# Altium PCB Copy of DIOT_SMA16_.PcbDoc (part 1 of 6) (continued)
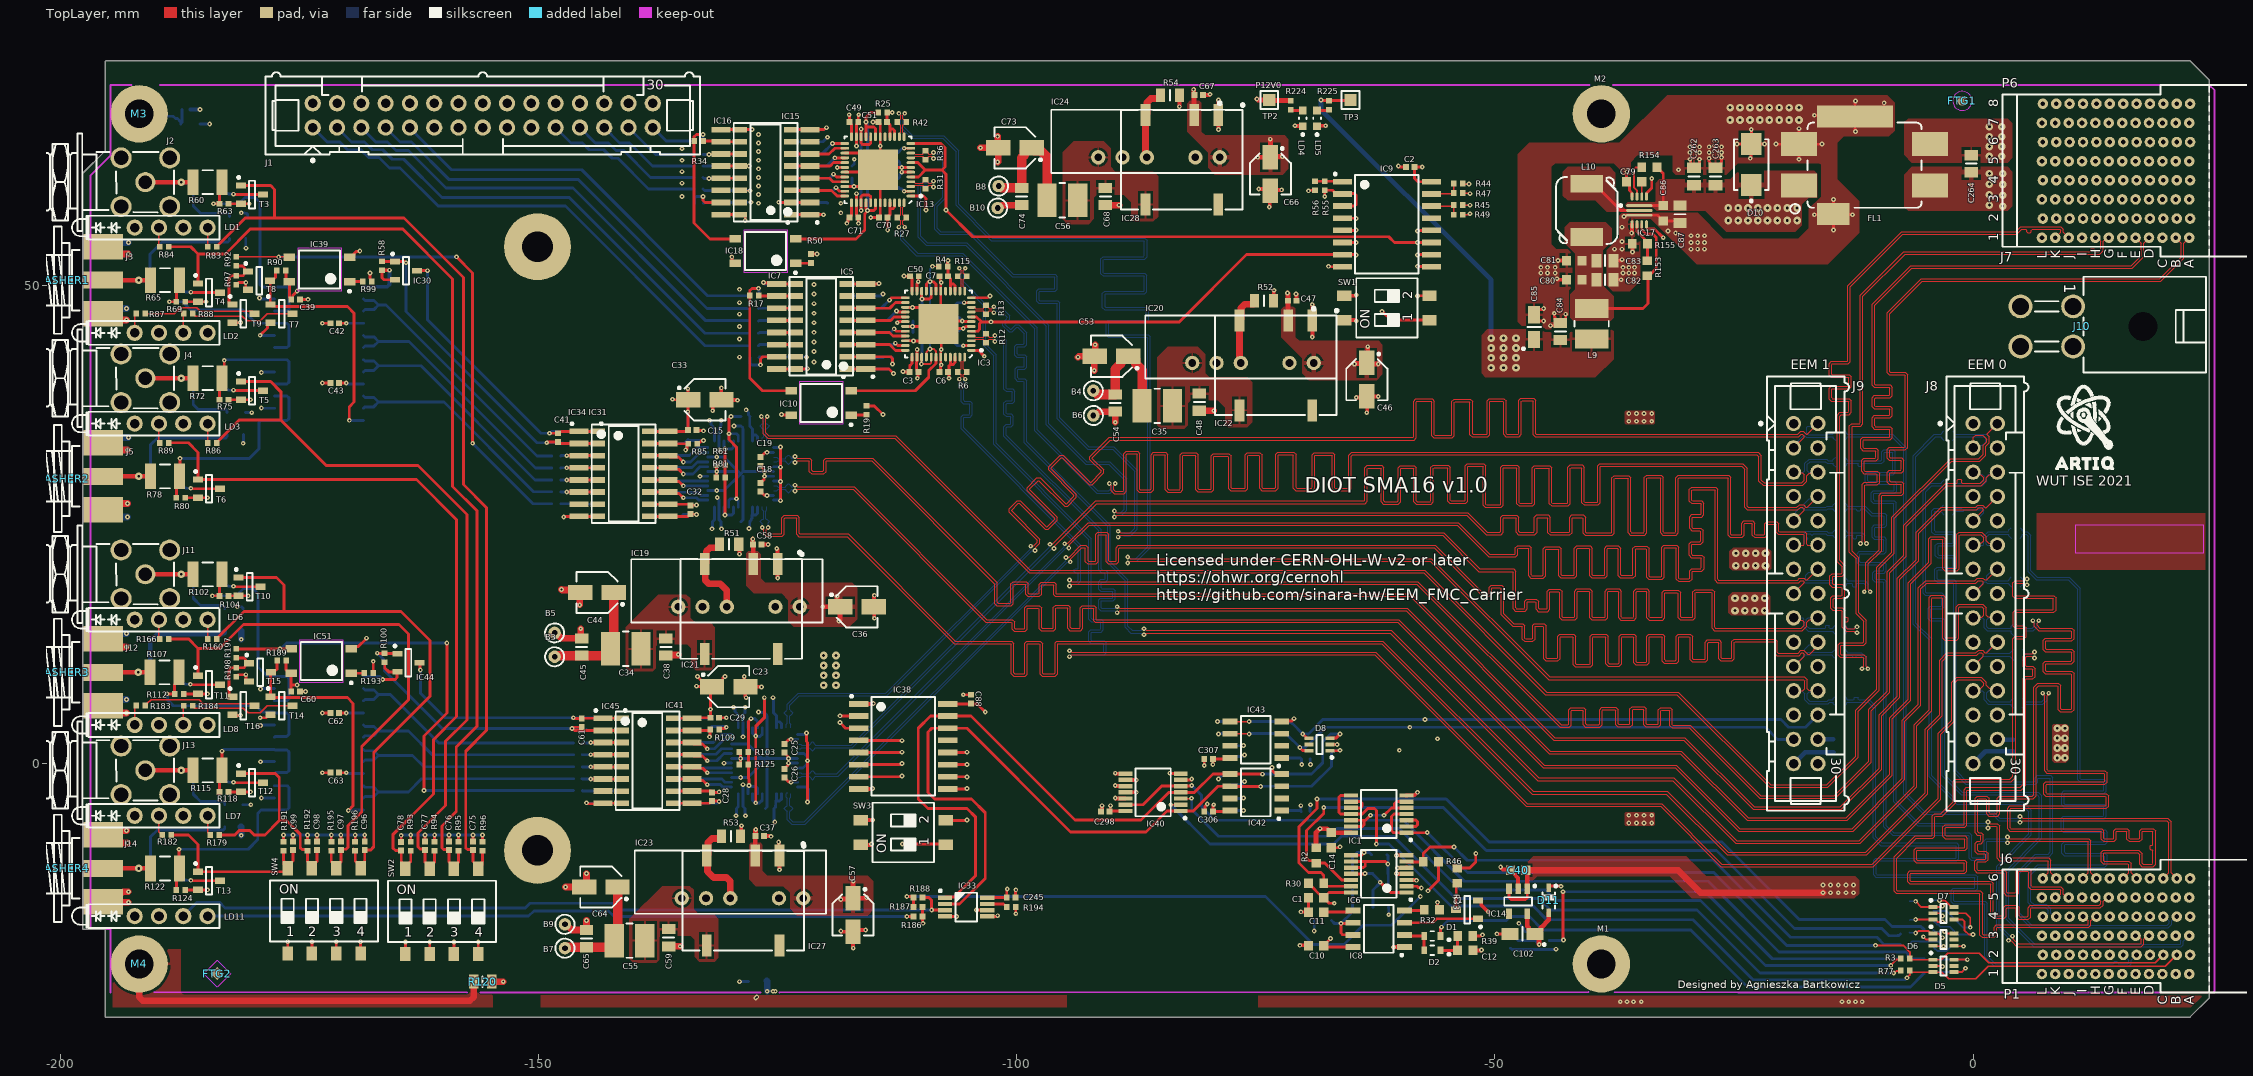
[diagram p0: TopLayer view]
## Components (designator, comment, footprint, x,y, rotation, side; value= is the part's Value field where it differs from the comment)
B3 "Plated Hole" c130h60 -148.328,11.175 r0 top
B4 "Plated Hole" c130h60 -92,39 r0 top
B5 "Plated Hole" c130h60 -148.328,13.675 r0 top
B6 "Plated Hole" c130h60 -92,36.4 r0 top
B7 "Plated Hole" c130h60 -147.25,-19.3 r0 top
B8 "Plated Hole" c130h60 -101.9,60.4 r0 top
B9 "Plated Hole" c130h60 -147.25,-16.8 r0 top
B10 "Plated Hole" c130h60 -102,58.1 r0 top
C1 "100nF" CAPC1608X87N -68.7,-14.025 r0 top
C2 "100nF" CAPC1005X55N -58.85,62.4 r0 top
C3 "100nF" CAPC1005X55N -110.749,40.967 r180 top
C4 "100nF" CAPC1005X55N -106.449,47.517 r90 bottom
C5 "100nF" CAPC1005X55N -106.449,44.417 r270 bottom
C6 "100nF" CAPC1005X55N -107.649,40.967 r0 top
C7 "100nF" CAPC1005X55N -107.649,50.967 r0 top
C8 "22uF" CAPC2012X135N -68,-16.4 r0 bottom
C10 "100nF" CAPC1608X87N -68.7,-19.025 r0 top
C11 "100nF" CAPC1608X87N -68.7,-15.525 r0 top
C12 "1uF" CAPC1608X87N -53.1,-19.525 r180 top
C14 "100nF" CAPC1608X87N -67.1,-8 r90 top
C15 "100nF" CAPC1005X55N -133.923,34.875 r180 top
C16 "100nF" CAPC1005X55N -131.373,25.3 r180 bottom
C17 "100nF" CAPC1005X55N -128.373,25.3 r0 bottom
C18 "100nF" CAPC1005X55N -126.8,28.9 r270 top
C19 "100nF" CAPC1005X55N -126.8,31.6 r90 top
C20 "100nF" CAPC1005X55N -128.373,35.3 r0 bottom
C21 "100nF" CAPC1005X55N -131.373,35.3 r180 bottom
C22 "100nF" CAPC1005X55N -134.373,34.35 r90 bottom
C23 "10uF" CAPAE430X540N -130.123,8.05 r0 top
C24 "100nF" CAPC1005X55N -128.873,-4.7 r180 bottom
C25 "100nF" CAPC1005X55N -124.3,1.6 r90 top
C26 "100nF" CAPC1005X55N -124.3,-1 r270 top
C27 "100nF" CAPC1005X55N -125.873,5.3 r0 bottom
C28 "100nF" CAPC1005X55N -131.873,-3.45 r90 top
C29 "100nF" CAPC1005X55N -131.573,4.8 r180 top
C30 "100nF" CAPC1005X55N -131.873,4.35 r90 bottom
C31 "100nF" CAPC1005X55N -128.873,5.3 r180 bottom
C32 "100nF" CAPC1005X55N -134.123,26.55 r90 top
C33 "10uF" CAPAE430X540N -132.623,38.05 r0 top
C34 "10uH" IND_MURATA-PS_8400 -140.9,12 r0 top
C35 "10uH" IND_MURATA-PS_8400 -85.3,37.4 r0 top
C36 "10uF" CAPAE430X540N -116.7,16.4 r0 top
C37 "100nF" CAPC1005X55N -126.873,-7.575 r180 top
C38 "22uF" CAPC2012X135N -136.7,12.2 r90 top
C39 "100nF" CAPC1005X55N -175.423,48.55 r180 top
C40 "1uF" CAPC1608X87N -47.575,-11.152 r0 top
C41 "100nF" CAPC1005X55N -147.993,34.1 r90 top
C42 "100nF" CAPC1005X55N -171.323,46.05 r0 top
C43 "100nF" CAPC1005X55N -171.323,39.8 r0 top
C44 "10uF" CAPAE430X540N -143.9,17.9 r180 top
C45 "22uF" CAPC2012X135N -145.5,12.2 r270 top
C46 "10uF" CAPAE430X540N -63.4,40.15 r270 top
C47 "100nF" CAPC1005X55N -71.2,48.4 r180 top
C48 "22uF" CAPC2012X135N -80.9,37.8 r90 top
C49 "100nF" CAPC1005X55N -117.026,67.1 r180 top
C50 "100nF" CAPC1005X55N -110.699,50.967 r180 top
C51 "100nF" CAPC1005X55N -114.026,67.1 r0 top
C52 "100nF" CAPC1005X55N -112.401,63.475 r90 bottom
C53 "10uF" CAPAE430X540N -90.1,42.6 r180 top
C54 "22uF" CAPC2012X135N -89.7,37.7 r90 top
C55 "10uH" IND_MURATA-PS_8400 -140.5,-18.5 r0 top
C56 "10uH" IND_MURATA-PS_8400 -95.23,58.9 r0 top
C57 "10uF" CAPAE430X540N -117.123,-15.825 r270 top
C58 "100nF" CAPC1005X55N -127.128,22.925 r180 top
C59 "22uF" CAPC2012X135N -136.4,-18.2 r90 top
C60 "100nF" CAPC1005X55N -175.423,7.55 r180 top
C61 "100nF" CAPC1005X55N -145.493,4.258 r90 top
C62 "100nF" CAPC1005X55N -171.323,5.3 r0 top
C63 "100nF" CAPC1005X55N -171.323,-0.95 r0 top
C64 "10uF" CAPAE430X540N -143.5,-12.9 r180 top
C65 "22uF" CAPC2012X135N -145,-18.3 r270 top
C66 "10uF" CAPAE430X540N -73.48,61.65 r270 top
C67 "100nF" CAPC1005X55N -80.98,69.9 r180 top
C68 "22uF" CAPC2012X135N -90.73,59.3 r90 top
C69 "100nF" CAPC1005X55N -125.823,-4.7 r0 bottom
C70 "100nF" CAPC1005X55N -113.976,57.1 r0 top
C71 "100nF" CAPC1005X55N -117.026,57.1 r180 top
C72 "100nF" CAPC1005X55N -112.401,60.725 r270 bottom
C73 "10uF" CAPAE430X540N -100.2,64.4 r180 top
C74 "22uF" CAPC2012X135N -99.5,59.3 r90 top
C75 "100nF" CAPC1005X55N -156.873,-8.6 r270 top
C76 "100nF" CAPC1005X55N -159.373,-8.6 r270 top
C77 "100nF" CAPC1005X55N -161.873,-8.6 r270 top
C78 "100nF" CAPC1005X55N -164.373,-8.65 r270 top
C79 "100nF" CAPC1608X87N -35.45,60.85 r0 top
C80 "100nF" CAPC1608X87N -41.7,50.6 r0 top
C81 "100nF" CAPC1608X87N -41.7,52.6 r0 top
C82 "22uF" CAPC2012X135N -38.5,50.6 r180 top
C83 "22uF" CAPC2012X135N -38.5,52.6 r180 top
C84 "22uF" CAPC2012X135N -43.15,45.2 r270 top
C85 "10uF" CAPMP3216X180N -45.9,45.65 r90 top
C86 "100nF" CAPC1608X87N -32.4,57.55 r90 top
C87 "22uF" CAPC2012X135N -30.65,57.45 r90 top
C88 "100nF" CAPC1005X55N -104.8,6.75 r270 top
C96 "100nF" CAPC1005X55N -168.183,-8.6 r270 top
C97 "100nF" CAPC1005X55N -170.683,-8.6 r270 top
C98 "100nF" CAPC1005X55N -173.183,-8.6 r270 top
C99 "100nF" CAPC1005X55N -175.683,-8.6 r270 top
C102 "4.7uF" CAPMP3216X180N -47.125,-17.8 r180 top
C212 "22pF" CAPC1005X55N -186.85,68.4 r0 bottom
C219 "100nF" CAPC1005X55N -69.8,-5 r180 bottom
C220 "100nF" CAPC1005X55N -69.8,0.5 r180 bottom
C245 "100nF" CAPC1005X55N -100.6,-14 r180 top
C262 "10uF" CAPC2012X95N -29.188,61.392 r270 top
C263 "10uF" CAPC2012X95N -26.938,61.392 r270 top
C264 "10uF" CAPC2012X95N -0.188,62.742 r270 top
C298 "100nF" CAPC1005X55N -90.75,-5 r0 top
C306 "100nF" CAPC1005X55N -79.95,-5 r0 top
C307 "100nF" CAPC1005X55N -79.95,0.5 r0 top
D1 "CDBU0520-HF" SOD-523F -56.55,-18.025 r180 top
D2 "CDBU0520-HF" SOD-523F -56.55,-19.525 r180 top
D4 "PRTR5V0U2X" SOT190P230X110-4N -181.373,56.05 r90 bottom
D5 "PESD3V3L5UY" SOT65P210X110-6N -3.1,-21.15 r0 top
D6 "PESD3V3L5UY" SOT65P210X110-6N -3.1,-18.4 r0 top
D7 "PESD3V3L5UY" SOT65P210X110-6N -3.1,-15.65 r0 top
D8 "PESD3V3L5UY" SOT65P210X110-6N -68.35,2 r180 top
D9 "PRTR5V0U2X" SOT190P230X110-4N -181.623,35.55 r90 bottom
D10 "SMBJ12A" DIOM5336X265N -23.188,62.642 r90 top
D11 "BAT165" SOD2512X110N -44.375,-14.3 r270 top
D13 "PRTR5V0U2X" SOT190P230X110-4N -181.873,15.05 r90 bottom
D14 "PRTR5V0U2X" SOT190P230X110-4N -181.873,-5.45 r90 bottom
FL1 "10A/50VDC" FIL_MURATA_BNX02 -11.35,62.575 r180 top
FTG1 "Use only in PCB" FIDUCIAL_TOP_C100-200 -1.123,69.3 r90 top
FTG2 "Use only in PCB" FIDUCIAL_TOP_S100-200 -183.623,-21.95 r90 top
FTG3 "Use only in PCB" FIDUCIAL_TOP_S100-200 -1.123,69.3 r90 bottom
FTG4 "Use only in PCB" FIDUCIAL_TOP_S100-200 -183.623,-21.95 r90 bottom
IC1 "74HC4066PW" SOP65P640X110-14N -62.15,-5.275 r180 top
IC2 "SI8650BB-B-IS1" SOIC127P600X175-16N -120.449,45.717 r0 bottom
IC3 "SN65MLVD040RGZT" QFN50P700X700X100-49N-S420 -108.199,45.967 r180 top
IC4 "MAX14434FAWE+" SOIC127P1030X265-16N -120.449,45.717 r0 bottom
IC5 "SI8650BB-B-IS1" SOIC127P600X175-16N -120.449,45.717 r180 top
IC6 "74HC4066PW" SOP65P640X110-14N -62.15,-11.525 r180 top
IC7 "MAX14434FAWE+" SOIC127P1030X265-16N -120.449,45.717 r180 top
IC8 "TLC555ID" SOIC127P600X175-8N -62.15,-17.275 r180 top
IC9 "PCF8574ADW" SOIC127P1030X265-16N -61.3,56.4 r0 top
IC10 "TLP183" TOSHIBA_11-4M1S -120.449,37.717 r180 top
IC11 "SI8650BB-B-IS1" SOIC127P600X175-16N -126.276,61.85 r0 bottom
IC12 "MAX14434FAWE+" SOIC127P1030X265-16N -126.276,61.85 r0 bottom
IC13 "SN65MLVD040RGZT" QFN50P700X700X100-49N-S420 -114.526,62.1 r180 top
IC14 "MIC5219-3.3YM5" SOT95P280X145-5N -47.575,-14.402 r270 top
IC15 "SI8650BB-B-IS1" SOIC127P600X175-16N -126.276,61.85 r180 top
IC16 "MAX14434FAWE+" SOIC127P1030X265-16N -126.276,61.85 r180 top
IC17 "TPS62148RGX" TEXAS_RGX0011A -34.9,57.85 r0 top
IC18 "TLP183" TOSHIBA_11-4M1S -126.276,53.6 r180 top
IC19 "TMH1205S" DCDC_TRACO_TMA -130.32,16.4 r180 top
IC20 "TMH1205S" DCDC_TRACO_TMA -76.57,41.9 r180 top
IC21 "NXE2S1205MC" DCDC_MURATA_NXE2 -128.828,16.175 r180 top
IC22 "NXE2S1205MC" DCDC_MURATA_NXE2 -72.9,41.65 r180 top
IC23 "TMH1205S" DCDC_TRACO_TMA -129.953,-14.075 r180 top
IC24 "TMH1205S" DCDC_TRACO_TMA -86.4,63.4 r180 top
IC25 "24AA025E48-I/SN" SOIC127P600X175-8N -75,-3 r0 bottom
IC26 "24AA025E48-I/SN" SOIC127P600X175-8N -75,2.5 r0 bottom
IC27 "NXE2S1205MC" DCDC_MURATA_NXE2 -128.623,-14.325 r180 top
IC28 "NXE2S1205MC" DCDC_MURATA_NXE2 -82.73,63.15 r180 top
IC30 "MCP810T-315I/TT" SOT95P237X112-3N -163.873,51.55 r0 top
IC31 "SI8650BB-B-IS1" SOIC127P600X175-16N -141.123,30.3 r0 top
IC32 "SN65MLVD040RGZT" QFN50P700X700X100-49N-S420 -128.873,30.3 r180 bottom
IC33 "LM75AIMM/NOPB" SOP65P490X109-8N -105.3,-15 r0 top
IC34 "MAX14434FAWE+" SOIC127P1030X265-16N -141.123,30.3 r0 top
IC35 "SN74BCT25245DW" SOIC127P1030X265-24N -172.973,42.875 r0 bottom
IC36 "SI8650BB-B-IS1" SOIC127P600X175-16N -141.123,30.3 r180 bottom
IC37 "MAX14434FAWE+" SOIC127P1030X265-16N -141.123,30.3 r180 bottom
IC38 "PCF8574ADW" SOIC127P1030X265-16N -111.873,1.8 r0 top
IC39 "TLP183" TOSHIBA_11-4M1S -172.911,51.675 r180 top
IC40 "74HC4066PW" SOP65P640X110-14N -85.75,-3 r180 top
IC41 "SI8650BB-B-IS1" SOIC127P600X175-16N -138.623,0.3 r0 top
IC42 "24AA02E48-I/SN" SOIC127P600X175-8N -75,-3 r180 top
IC43 "24AA02E48-I/SN" SOIC127P600X175-8N -75,2.5 r180 top
IC44 "MCP810T-315I/TT" SOT95P237X112-3N -163.623,10.55 r0 top
IC45 "MAX14434FAWE+" SOIC127P1030X265-16N -138.617,0.301 r0 top
IC46 "SN65MLVD040RGZT" QFN50P700X700X100-49N-S420 -126.373,0.3 r180 bottom
IC47 "SI8650BB-B-IS1" SOIC127P600X175-16N -138.623,0.3 r180 bottom
IC48 "SN74BCT25245DW" SOIC127P1030X265-24N -172.973,2.125 r0 bottom
IC49 "MAX14434FAWE+" SOIC127P1030X265-16N -138.623,0.3 r180 bottom
IC51 "TLP183" TOSHIBA_11-4M1S -172.73,10.725 r180 top
J1 "" 3M_N2530-6002RB#1 -155.843,67.78 r0 top
J2 "SMA" DELOCK_65848 -191.123,60.8 r180 top locked
J3 "SMA" MOLEX_73251-2121 -195.573,50.55 r0 top locked
J4 "SMA" DELOCK_65848 -191.123,40.3 r180 top locked
J5 "SMA" MOLEX_73251-2121 -195.573,30.05 r0 top locked
J6 "P1" AMPHENOL_10052825-101LF 14.946,-17 r90 top locked
J7 "P6" AMPHENOL_10052838-101LF 14.946,62 r90 top locked
J8 "" 3M_N2530-6002RB#2 1.27,17.78 r270 top locked
J9 "" 3M_N2530-6002RB#2 -17.5,17.779 r270 top locked
J10 "Mini-Fit Jr.™" MOLEX_39-30-0040 7.712,45.717 r270 top
J11 "SMA" DELOCK_65848 -191.123,19.8 r180 top locked
J12 "SMA" MOLEX_73251-2121 -195.573,9.55 r0 top locked
J13 "SMA" DELOCK_65848 -191.123,-0.7 r180 top locked
J14 "SMA" MOLEX_73251-2121 -195.573,-10.95 r0 top locked
L9 "10uH" IND_MURATA-PS_8400 -39.9,46 r270 top
L10 "1.5uH" IND_TDK_SPM6530 -40.4,57.85 r270 top
LD1 "Green/Green" LED_DIALIGHT_571-0122F -192.243,56.05 r0 top locked
LD2 "Red/Green" LED_DIALIGHT_571-0112F -192.243,45.05 r0 top locked
LD3 "Green/Green" LED_DIALIGHT_571-0122F -192.243,35.55 r0 top locked
LD4 "Green" LED_KINGBRIGHT_KPH-1608CGCK -70.1,67.475 r90 top
LD5 "Green" LED_KINGBRIGHT_KPH-1608CGCK -68.6,67.475 r90 top
LD6 "Green/Green" LED_DIALIGHT_571-0122F -192.243,15.05 r0 top locked
LD7 "Green/Green" LED_DIALIGHT_571-0122F -192.243,-5.45 r0 top locked
LD8 "Red/Green" LED_DIALIGHT_571-0112F -192.243,4.05 r0 top locked
LD11 "Red/Green" LED_DIALIGHT_571-0112F -192.243,-15.95 r0 top locked
M1 "Plated Hole" MTG300_600#1 -38.873,-21.2 r180 top locked
M2 "Plated Hole" MTG300_600#2 -38.873,67.8 r180 top locked
M3 "Plated Hole" MTG300_600#3 -191.205,67.95 r0 top locked
M4 "Plated Hole" MTG300_600#3 -191.205,-20.95 r0 top locked
R1 "220" RESC1005X40N -7.13,-20.4 r0 bottom
R2 "10k" RESC1608X55N -68.7,-9.6 r270 top
R3 "0" RESC1005X40N -7.07,-20.4 r180 top
R4 "10k" RESC1005X40N -107.699,51.967 r0 top
R5 "100" RESC1005X40N -110.37,46.3 r180 bottom
R6 "100" RESC1005X40N -105.699,40.967 r0 top
R7 "22" RESC1005X40N -127.47,43.7 r0 bottom
R8 "22" RESC1005X40N -127.47,45 r0 bottom
R9 "22" RESC1005X40N -127.47,46.3 r0 bottom
R10 "22" RESC1005X40N -127.47,47.6 r0 bottom
R11 "22" RESC1005X40N -127.411,48.929 r0 bottom
R12 "100" RESC1005X40N -103.199,44.467 r90 top
R13 "100" RESC1005X40N -103.199,47.467 r90 top
R14 "10k" RESC1005X40N -110.37,45.1 r180 bottom
R15 "100" RESC1005X40N -105.699,50.967 r180 top
R16 "0" RESC1005X40N -113.479,42.467 r0 bottom
R17 "100" RESC1005X40N -127.449,48.967 r180 top
R18 "0" RESC1005X40N -127.419,42.467 r180 bottom
R19 "510" RESC1005X40N -115.699,36.937 r90 top
R20 "22" RESC1005X40N -133.27,60.1 r0 bottom
R21 "22" RESC1005X40N -133.27,61.3 r0 bottom
R22 "22" RESC1005X40N -133.27,62.5 r0 bottom
R23 "22" RESC1005X40N -133.27,63.7 r0 bottom
R24 "22" RESC1005X40N -133.27,65.1 r0 bottom
R25 "10k" RESC1005X40N -114.026,68.1 r0 top
R26 "100" RESC1005X40N -116.746,61.235 r180 bottom
R27 "100" RESC1005X40N -112.026,57.1 r0 top
R28 "10k" RESC1608X55N -61.95,-15.025 r0 bottom
R29 "0" RESC1005X40N -119.306,58.6 r0 bottom
R30 "10k" RESC1608X55N -68.7,-12.525 r0 top
R31 "100" RESC1005X40N -109.526,60.6 r90 top
R32 "0" RESC1608X55N -56.6,-15.275 r180 top
R33 "0" RESC1608X55N -53.95,-11.725 r90 top
R34 "100" RESC1005X40N -133.276,65.1 r0 top
R35 "2k7" RESC1608X55N -64.9,-12.4 r270 bottom
R36 "100" RESC1005X40N -109.526,63.6 r90 top
R37 "10k" RESC1608X55N -61.95,-13.275 r0 bottom
R38 "10k" RESC1608X55N -61.95,-11.525 r0 bottom
R39 "10k" RESC1608X55N -53.1,-18.025 r180 top
R40 "10k" RESC1608X55N -48.375,-18.5 r90 bottom
R41 "10k" RESC1005X40N -116.746,62.478 r180 bottom
R42 "100" RESC1005X40N -112.026,67.1 r180 top
R43 "2k7" RESC1608X55N -62.1,-9.525 r0 bottom
R44 "0" RESC1005X40N -53.83,60.65 r180 top
R45 "0" RESC1005X40N -53.83,58.4 r180 top
R46 "10k" RESC1608X55N -56.7,-10.275 r180 top
R47 "No value" RESC1005X40N -53.83,59.65 r180 top
R48 "0" RESC1005X40N -133.246,58.6 r180 bottom
R49 "No value" RESC1005X40N -53.83,57.4 r180 top
R50 "510" RESC1005X40N -121.526,52.82 r90 top
R51 "100k" RESC2012X60N -130.078,22.925 r0 top
R52 "100k" RESC2012X60N -74.15,48.4 r0 top
R53 "100k" RESC2012X60N -129.873,-7.575 r0 top
R54 "100k" RESC2012X60N -83.98,69.9 r0 top
R55 "10k" RESC1005X40N -67.8,60.43 r90 top
R56 "No value" RESC1005X40N -68.8,60.43 r90 top
R57 "0" RESC1005X40N -13.903,34.8 r180 bottom
R58 "Undefined" RESC1005X40N -166.373,52.05 r270 top
R59 "10k" RESC1005X40N -128.373,36.3 r0 bottom
R60 "30R" RESC3225X70N -184.623,60.8 r0 top
R61 "100" RESC1005X40N -130.97,31.2 r180 top
R62 "49R9" RESC3225X70N -184.623,60.8 r180 bottom
R63 "10k" RESC1005X40N -182.903,58.55 r180 top
R64 "100" RESC1005X40N -126.373,35.3 r0 bottom
R65 "30R" RESC3225X70N -189.073,50.55 r0 top
R66 "22" RESC1005X40N -148.153,32.175 r0 bottom
R67 "22" RESC1005X40N -148.153,30.925 r0 bottom
R68 "49R9" RESC3225X70N -189.073,50.55 r180 bottom
R69 "10k" RESC1005X40N -187.403,48.3 r180 top
R70 "22" RESC1005X40N -148.153,29.675 r0 bottom
R71 "100" RESC1005X40N -123.873,31.8 r270 bottom
R72 "30R" RESC3225X70N -184.623,40.3 r0 top
R73 "22" RESC1005X40N -148.153,28.425 r0 bottom
R74 "49R9" RESC3225X70N -184.623,40.3 r180 bottom
R75 "10k" RESC1005X40N -182.903,38.05 r180 top
R76 "100" RESC1005X40N -123.873,28.8 r270 bottom
R77 "0" RESC1005X40N -7.07,-21.65 r180 top
R78 "30R" RESC3225X70N -189.073,30.05 r0 top
R79 "49R9" RESC3225X70N -189.073,30.05 r180 bottom
R80 "10k" RESC1005X40N -187.403,27.8 r180 top
R81 "10k" RESC1005X40N -130.97,29.9 r180 top
R82 "100" RESC1005X40N -126.373,25.3 r180 bottom
R83 "510" RESC1005X40N -184.153,54.05 r180 top
R84 "510" RESC1005X40N -189.153,54.05 r180 top
R85 "0" RESC1005X40N -133.903,33.45 r0 top
R86 "510" RESC1005X40N -184.153,33.55 r180 top
R87 "510" RESC1005X40N -191.618,47.057 r180 top
R88 "510" RESC1005X40N -186.653,47.05 r180 top
R89 "510" RESC1005X40N -189.153,33.55 r180 top
R90 "10k" RESC1005X40N -176.903,51.55 r0 top
R91 "100" RESC1005X40N -148.153,27.175 r180 bottom
R92 "22" RESC1005X40N -181.623,52.52 r90 top
R93 "10k" RESC1005X40N -163.373,-8.62 r90 top
R94 "10k" RESC1005X40N -160.873,-8.62 r90 top
R95 "10k" RESC1005X40N -158.373,-8.62 r90 top
R96 "10k" RESC1005X40N -155.873,-8.62 r90 top
R97 "10k" RESC1005X40N -181.623,50.55 r90 top
R98 "0" RESC1005X40N -147.968,33.55 r0 bottom
R99 "510" RESC1005X40N -167.941,50.425 r0 top
R100 "Undefined" RESC1005X40N -166.123,11.05 r270 top
R101 "10k" RESC1005X40N -125.903,6.3 r0 bottom
R102 "30R" RESC3225X70N -184.623,19.8 r0 top
R103 "100" RESC1005X40N -128.53,1.2 r180 top
R104 "10k" RESC1005X40N -182.903,17.55 r180 top
R105 "49R9" RESC3225X70N -184.623,19.8 r180 bottom
R106 "100" RESC1005X40N -123.873,5.3 r0 bottom
R107 "30R" RESC3225X70N -189.123,9.55 r0 top
R108 "22" RESC1005X40N -145.903,2.175 r0 bottom
R109 "0" RESC1005X40N -131.593,3.55 r0 top
R110 "22" RESC1005X40N -145.903,0.925 r0 bottom
R111 "49R9" RESC3225X70N -189.123,9.55 r180 bottom
R112 "10k" RESC1005X40N -187.593,7.3 r180 top
R113 "22" RESC1005X40N -145.903,-0.325 r0 bottom
R114 "100" RESC1005X40N -121.373,1.8 r270 bottom
R115 "30R" RESC3225X70N -184.623,-0.7 r0 top
R116 "22" RESC1005X40N -145.933,-1.575 r0 bottom
R117 "49R9" RESC3225X70N -184.623,-0.7 r180 bottom
R118 "10k" RESC1005X40N -182.903,-2.95 r180 top
R119 "10M" RESC2113X55N -127.1,-22.7 r180 bottom
R120 "10M" RESC2113X55N -155.85,-22.8 r180 top
R121 "100" RESC1005X40N -121.373,-1.2 r270 bottom
R122 "30R" RESC3225X70N -189.073,-10.95 r0 top
R123 "49R9" RESC3225X70N -189.073,-10.95 r180 bottom
R124 "10k" RESC1005X40N -187.403,-13.2 r180 top
R125 "10k" RESC1005X40N -128.53,-0.1 r180 top
R126 "1M1" RESC2012X60N -186.425,66.9 r0 bottom
R129 "100" RESC1005X40N -123.873,-4.7 r180 bottom
R130 "22" RESC1005X40N -7.13,-18.9 r0 bottom
R131 "22" RESC1005X40N -7.13,-17.81 r0 bottom
R132 "22" RESC1005X40N -4.63,-14.4 r0 bottom
R133 "22" RESC1005X40N -4.63,-21.9 r0 bottom
R134 "22" RESC1005X40N -4.63,-15.4 r0 bottom
R135 "22" RESC1005X40N -7.13,-16.226 r0 bottom
R136 "22" RESC1005X40N -4.63,-17.4 r0 bottom
R137 "22" RESC1005X40N -4.63,-19.15 r0 bottom
R138 "22" RESC1005X40N -4.63,-20.4 r0 bottom
R139 "22" RESC1005X40N -7.13,-14.4 r0 bottom
R140 "22" RESC1005X40N -4.63,-16.4 r0 bottom
R143 "0" RESC1005X40N -13.903,6.05 r180 bottom
R144 "0" RESC1005X40N -13.903,7.05 r180 bottom
R145 "0" RESC1005X40N -2.593,34.8 r0 bottom
R146 "0" RESC1005X40N -2.555,29.675 r0 bottom
R147 "0" RESC1005X40N -2.593,27.05 r0 bottom
R148 "0" RESC1005X40N 4.445,24.675 r180 bottom
R149 "0" RESC1005X40N 4.47,19.525 r180 bottom
R150 "0" RESC1005X40N 4.695,13.42 r180 bottom
R151 "0" RESC1005X40N 4.695,11.95 r180 bottom
R152 "0" RESC1005X40N 4.695,5.842 r180 bottom
R153 "38k3" RESC1608X55N -34.05,51.8 r270 top
R154 "49k9" RESC1608X55N -33.85,62.35 r180 top
R155 "12k1" RESC1608X55N -34.85,54.35 r180 top
R156 "0" RESC1005X40N -13.903,24.5 r180 bottom
R157 "0" RESC1005X40N -13.903,19.5 r180 bottom
R158 "0" RESC1005X40N -13.903,13.5 r180 bottom
R159 "0" RESC1005X40N -13.903,12 r180 bottom
R160 "510" RESC1005X40N -184.153,13.05 r180 top
R161 "0" RESC1005X40N -2.593,33.8 r0 bottom
R162 "0" RESC1005X40N -2.555,28.7 r0 bottom
R163 "0" RESC1005X40N -2.593,26.05 r0 bottom
R164 "0" RESC1005X40N 4.445,23.575 r180 bottom
R165 "100" RESC1005X40N -145.903,-2.825 r0 bottom
R166 "510" RESC1005X40N -189.153,13.05 r180 top
R167 "0" RESC1005X40N 4.47,18.475 r180 bottom
R168 "0" RESC1005X40N 4.695,14.6 r180 bottom
R169 "0" RESC1005X40N 4.72,10.8 r180 bottom
R170 "0" RESC1005X40N 4.695,6.858 r180 bottom
R171 "0" RESC1005X40N -13.903,33.8 r180 bottom
R172 "0" RESC1005X40N -13.903,31.05 r180 bottom
R173 "0" RESC1005X40N -13.903,26.3 r180 bottom
R174 "0" RESC1005X40N -13.903,23.55 r180 bottom
R175 "0" RESC1005X40N -13.903,18.5 r180 bottom
R176 "0" RESC1005X40N -13.903,14.5 r180 bottom
R177 "0" RESC1005X40N -13.903,10.95 r180 bottom
R178 "0" RESC1005X40N -13.903,32.05 r180 bottom
R179 "510" RESC1005X40N -183.873,-7.45 r180 top
R180 "0" RESC1005X40N -13.903,27.3 r180 bottom
R182 "510" RESC1005X40N -188.903,-7.45 r180 top
R183 "510" RESC1005X40N -191.618,6.057 r180 top
R184 "510" RESC1005X40N -186.653,6.05 r180 top
R185 "0" RESC1005X40N -145.468,3.55 r0 bottom
R186 "1k6" RESC1005X40N -110.33,-16 r0 top
R187 "10k" RESC1005X40N -110.33,-15 r0 top
R188 "0" RESC1005X40N -110.33,-14 r180 top
R189 "10k" RESC1005X40N -176.873,10.8 r0 top
R191 "10k" RESC1005X40N -176.683,-8.62 r90 top
R192 "10k" RESC1005X40N -174.183,-8.62 r90 top
R193 "510" RESC1005X40N -167.76,9.475 r0 top
R194 "0" RESC1005X40N -100.58,-15 r180 top
R195 "10k" RESC1005X40N -171.683,-8.62 r90 top
R196 "10k" RESC1005X40N -169.183,-8.62 r90 top
R197 "22" RESC1005X40N -181.623,11.52 r90 top
R198 "10k" RESC1005X40N -181.623,9.55 r90 top
R224 "10k" RESC1005X40N -71.35,68.87 r90 top
R225 "1k" RESC1005X40N -67.35,68.87 r90 top
R257 "0" RESC1005X40N 4.67,2.5 r180 bottom
R260 "0" RESC1005X40N 4.67,1.3 r180 bottom
R261 "0" RESC1005X40N -14.13,1.2 r180 bottom
R262 "0" RESC1005X40N -14.153,2.55 r180 bottom
SW1 "Switch" SW_OMRON_A6S-2102-H -61.3,47.65 r180 top
SW2 "Switch" SW_OMRON_A6S-4102-H -160.123,-15.45 r90 top
SW3 "Switch" SW_OMRON_A6S-2102-H -111.873,-7.2 r180 top
SW4 "Switch" SW_OMRON_A6S-4102-H -172.433,-15.4 r90 top
T1 "BSS138LT1G" SOT95P240X110-3N -52.9,-15.275 r180 top
T2 "BSS138LT1G" SOT95P240X110-3N -45.475,-18.5 r0 bottom
T3 "BSS138LT1G" SOT95P240X110-3N -179.973,59.5 r0 top
T4 "BSS138LT1G" SOT95P240X110-3N -184.473,49.25 r0 top
T5 "BSS138LT1G" SOT95P240X110-3N -179.973,39 r0 top
T6 "BSS138LT1G" SOT95P240X110-3N -184.473,28.75 r0 top
T7 "BSS138LT1G" SOT95P240X110-3N -176.873,47.05 r0 top
T8 "BSS138LT1G" SOT95P240X110-3N -179.223,50.5 r0 top
T9 "BSS138LT1G" SOT95P240X110-3N -180.873,47.05 r0 top
T10 "BSS138LT1G" SOT95P240X110-3N -180.223,18.5 r0 top
T11 "BSS138LT1G" SOT95P240X110-3N -184.473,8.25 r0 top
T12 "BSS138LT1G" SOT95P240X110-3N -179.973,-2 r0 top
T13 "BSS138LT1G" SOT95P240X110-3N -184.473,-12.25 r0 top
T14 "BSS138LT1G" SOT95P240X110-3N -176.873,6.05 r0 top
T15 "BSS138LT1G" SOT95P240X110-3N -179.123,9.55 r0 top
T16 "BSS138LT1G" SOT95P240X110-3N -180.873,6.05 r0 top
TP2 "P12V0" TPS127 -73.6,69.4 r0 top
TP3 "P3V3" TPS127 -65.1,69.4 r0 top
WASHER1 "D11.1xd6.6" Keystone_7687 -199.873,50.55 r180 top
WASHER2 "D11.1xd6.6" Keystone_7687 -199.873,29.8 r180 top
WASHER3 "D11.1xd6.6" Keystone_7687 -199.873,9.55 r180 top
WASHER4 "D11.1xd6.6" Keystone_7687 -199.873,-10.95 r180 top
WASHER5 "D11.1xd6.6" Keystone_7687 -77.373,157.22 r180 top
WASHER6 "D11.1xd6.6" Keystone_7687 -71.074,157.22 r180 top
WASHER7 "D11.1xd6.6" Keystone_7687 -64.724,157.22 r180 top
WASHER8 "D11.1xd6.6" Keystone_7687 -58.374,157.22 r180 top

## Footprints (in the part's own frame and the unit in brackets; to place one, negate y for a bottom-side part, rotate by r counter-clockwise, add the part's x,y. Pads: shape width x height; smd on the part's side, far side on the other; paste and mask are expansions set on the pad)
3M_N2530-6002RB#1 [mm] "30 Contacts - Straight .100\" x .100\" Low Profile Four-Wall Header"
  round 1.7 hole 1: 1(-17.78,-1.27) 2(-17.78,1.27) 3(-15.24,-1.27) 4(-15.24,1.27) 5(-12.7,-1.27) 6(-12.7,1.27) 7(-10.16,-1.27) 8(-10.16,1.27) 9(-7.62,-1.27) 10(-7.62,1.27) 11(-5.08,-1.27) 12(-5.08,1.27) 13(-2.54,-1.27) 14(-2.54,1.27) 15(0,-1.27) 16(0,1.27) 17(2.54,-1.27) 18(2.54,1.27) 19(5.08,-1.27) 20(5.08,1.27) 21(7.62,-1.27) 22(7.62,1.27) 23(10.16,-1.27) 24(10.16,1.27) 25(12.7,-1.27) 26(12.7,1.27) 27(15.24,-1.27) 28(15.24,1.27) 29(17.78,-1.27) 30(17.78,1.27)
  silkscreen extent -22.71,-4.85 22.71,4.52, body extent -22.71,-4.11 22.71,4.52, height 9.91
3M_N2530-6002RB#2 [mm] "30 Contacts - Straight .100\" x .100\" Low Profile Four-Wall Header"
  round 1.6 hole 1: 1(-17.78,-1.27) 2(-17.78,1.27) 3(-15.24,-1.27) 4(-15.24,1.27) 5(-12.7,-1.27) 6(-12.7,1.27) 7(-10.16,-1.27) 8(-10.16,1.27) 9(-7.62,-1.27) 10(-7.62,1.27) 11(-5.08,-1.27) 12(-5.08,1.27) 13(-2.54,-1.27) 14(-2.54,1.27) 15(0,-1.27) 16(0,1.27) 17(2.54,-1.27) 18(2.54,1.27) 19(5.08,-1.27) 20(5.08,1.27) 21(7.62,-1.27) 22(7.62,1.27) 23(10.16,-1.27) 24(10.16,1.27) 25(12.7,-1.27) 26(12.7,1.27) 27(15.24,-1.27) 28(15.24,1.27) 29(17.78,-1.27) 30(17.78,1.27)
  silkscreen extent -22.71,-4.85 22.71,4.52, body extent -22.71,-4.11 22.71,4.52, height 9.91
AMPHENOL_10052825-101LF [mm] "72 Contacts, 2mm Pitch, 6 Columns, 4 Pairs per Column, 4 Walls, Right Angle Header"
  round 1.1 hole 0.5: A1(-5,-7.65) A2(-3,-7.75) A3(-1,-7.65) A4(1,-7.75) A5(3,-7.65) A6(5,-7.75) B1(-5,-6.25) B2(-3,-6.35) B3(-1,-6.25) B4(1,-6.35) B5(3,-6.25) B6(5,-6.35) C1(-5,-4.85) C2(-3,-4.95) C3(-1,-4.85) C4(1,-4.95) C5(3,-4.85) C6(5,-4.95) D1(-5,-3.45) D2(-3,-3.55) D3(-1,-3.45) D4(1,-3.55) D5(3,-3.45) D6(5,-3.55) E1(-5,-2.05) E2(-3,-2.15) E3(-1,-2.05) E4(1,-2.15) E5(3,-2.05) E6(5,-2.15) F1(-5,-0.65) F2(-3,-0.75) F3(-1,-0.65) F4(1,-0.75) F5(3,-0.65) F6(5,-0.75) G1(-5,0.75) G2(-3,0.65) G3(-1,0.75) G4(1,0.65) G5(3,0.75) G6(5,0.65) H1(-5,2.15) H2(-3,2.05) H3(-1,2.15) H4(1,2.05) H5(3,2.15) H6(5,2.05) I1(-5,3.55) I2(-3,3.45) I3(-1,3.55) I4(1,3.45) I5(3,3.55) I6(5,3.45) J1(-5,4.95) J2(-3,4.85) J3(-1,4.95) J4(1,4.85) J5(3,4.95) J6(5,4.85) K1(-5,6.35) K2(-3,6.25) K3(-1,6.35) K4(1,6.25) K5(3,6.35) K6(5,6.25) L1(-5,7.75) L2(-3,7.65) L3(-1,7.75) L4(1,7.65) L5(3,7.75) L6(5,7.65)
  silkscreen extent -6.95,-21.95 6.95,11.85, body extent -6.95,-21.95 6.95,11.85, height 15.25
AMPHENOL_10052838-101LF [mm] "96 Contacts, 2mm Pitch, 8 Columns, 4 Pairs per Column, 4 Walls, Right Angle Header"
  round 1.1 hole 0.5: A1(-7,-7.65) A2(-5,-7.75) A3(-3,-7.65) A4(-1,-7.75) A5(1,-7.65) A6(3,-7.75) A7(5,-7.65) A8(7,-7.75) B1(-7,-6.25) B2(-5,-6.35) B3(-3,-6.25) B4(-1,-6.35) B5(1,-6.25) B6(3,-6.35) B7(5,-6.25) B8(7,-6.35) C1(-7,-4.85) C2(-5,-4.95) C3(-3,-4.85) C4(-1,-4.95) C5(1,-4.85) C6(3,-4.95) C7(5,-4.85) C8(7,-4.95) D1(-7,-3.45) D2(-5,-3.55) D3(-3,-3.45) D4(-1,-3.55) D5(1,-3.45) D6(3,-3.55) D7(5,-3.45) D8(7,-3.55) E1(-7,-2.05) E2(-5,-2.15) E3(-3,-2.05) E4(-1,-2.15) E5(1,-2.05) E6(3,-2.15) E7(5,-2.05) E8(7,-2.15) F1(-7,-0.65) F2(-5,-0.75) F3(-3,-0.65) F4(-1,-0.75) F5(1,-0.65) F6(3,-0.75) F7(5,-0.65) F8(7,-0.75) G1(-7,0.75) G2(-5,0.65) G3(-3,0.75) G4(-1,0.65) G5(1,0.75) G6(3,0.65) G7(5,0.75) G8(7,0.65) H1(-7,2.15) H2(-5,2.05) H3(-3,2.15) H4(-1,2.05) H5(1,2.15) H6(3,2.05) H7(5,2.15) H8(7,2.05) I1(-7,3.55) I2(-5,3.45) I3(-3,3.55) I4(-1,3.45) I5(1,3.55) I6(3,3.45) I7(5,3.55) I8(7,3.45) J1(-7,4.95) J2(-5,4.85) J3(-3,4.95) J4(-1,4.85) J5(1,4.95) J6(3,4.85) J7(5,4.95) J8(7,4.85) K1(-7,6.35) K2(-5,6.25) K3(-3,6.35) K4(-1,6.25) K5(1,6.35) K6(3,6.25) K7(5,6.35) K8(7,6.25) L1(-7,7.75) L2(-5,7.65) L3(-3,7.75) L4(-1,7.65) L5(1,7.75) L6(3,7.65) L7(5,7.75) L8(7,7.65)
  silkscreen extent -8.95,-21.95 8.95,11.85, body extent -8.95,-21.95 8.95,11.85, height 15.25
c130h60 [mm] "Plated Through Hole: Hole Dia.=0.6mm Pad Dia.=1.30mm"
  round 1.3 hole 0.6: 1(0,0)
  silkscreen extent -1,-1 1,1
CAPAE430X540N [mm] "Capacitor, Aluminium Electrolytric, 4.3mm L X 4.3mm W X 5.4mm H, IPC Medium Density"
  rect 2.55x1.6 smd: 1(-1.75,0) 2(1.75,0)
  silkscreen extent -2.8,-2.15 2.15,2.15, body extent -2.75,-2.25 2.75,2.25, height 5.7
CAPC1005X55N [mm] "Capacitor, Non-Polarized, Chip; 1.00mm L X 0.50mm W X 0.70mm H, IPC Medium Density"
  rect 0.62x0.62 smd: 1(-0.45,0) 2(0.45,0)
  body extent -0.52,-0.27 0.53,0.28, height 0.55
CAPC1608X87N [mm] "Chip Capacitor, Body 1.6x0.8mm IPC Medium Density"
  rect 0.95x1 smd: 1(-0.8,0) 2(0.8,0)
  body extent -0.87,-0.47 0.88,0.48, height 0.87
CAPC2012X95N [mm] "Chip Capacitor, Body 2.0x1.25mm, IPC Medium Density"
  rect 1.1x1.45 smd: 1(-0.9,0) 2(0.9,0)
  silkscreen extent 0,-0.58 0,0.58, body extent -1.05,-0.67 1.05,0.68, height 0.95
CAPC2012X135N [mm] "Chip Capacitor, Body 2.0x1.25mm, IPC Medium Density"
  rect 1.05x1.4 smd: 1(-0.9,0) 2(0.9,0)
  silkscreen extent 0,-0.58 0,0.58, body extent -1.05,-0.67 1.05,0.68, height 1.25
CAPMP3216X180N [mm] "Capacitor, Polarized, Molded  Body 3.2x1.6mm, IPC Medium Density"
  rect 1.8x1.25 smd: 1(-1.3,0) 2(1.3,0)
  silkscreen extent -2.4,-0.7 0,1.25, body extent -1.7,-0.9 1.7,0.9, height 1.6
DCDC_MURATA_NXE2 [mm] "NXE2 Series, Body 12.7 x 10.4, Height 4.4mm"
  rect 1x2.3 smd: 1(-3.81,-4.7) 3(-1.27,-4.7) 7(3.81,-4.7) 8(3.81,4.7) 14(-3.81,4.7)
  silkscreen extent -6.5,-5.86 6.35,5.21, body extent -6.35,-5.21 6.35,5.21, height 4.41
DCDC_TRACO_TMA [mm] "TMA Series , Body 19.5x6.1mm, SIP-6, Unregulated"
  round 1.5 hole 0.8: 1(-7.62,0) 2(-5.08,0) 4(0,0) 5(2.54,0) 6(5.08,0)
  silkscreen extent -10,-5.82 10,1.63, body extent -10,-4.97 10,1.73, height 10.45
DELOCK_65848 [mm] "50 Ohm Through Hole SMA Right Angle PCB Jack"
  round 2.1 hole 1.4: 1(0,0)
  round 2.2 hole 1.5: 2(-2.54,2.54) 2(-2.54,-2.54) 2(2.54,2.54) 2(2.54,-2.54)
  silkscreen extent -3,-5.1 19.1,5.1, body extent -3.04,-3.17 18.96,3.09, height 9.15
DIOM5336X265N [mm] "DO-214-AA/SMB Diode, Molded Body; 5.34mm L X 3.625mm W X 2.65mm H, IPC Medium Density"
  rect 2.3x2.15 smd: 1(-2.15,0) 2(2.15,0)
  silkscreen extent -3.92,-1.8 2.65,1.8, body extent -2.7,-1.95 2.7,1.95, height 2.4
FIDUCIAL_TOP_C100-200 [mm] "Round Fiducial Target, Top Layer, 1.0mm, Top Solder 2.0mm, Keepout =2.0mm"
  round 1 smd paste-0.51 mask+0.5: FTG2(0,0)
  TopLayer keep-out circle w0.1: c0,0 r1
FIDUCIAL_TOP_S100-200 [mm] "Square Fiducial Target, Top Layer, 1.0mm, Top Solder 2.0mm, Keepout =2.0mm"
  rect 1x1 smd rot 45 paste-0.51 mask+0.5: 1(0,0)
  TopLayer keep-out region: 1.414,0 0,-1.414 -1.414,0 0,1.414
FIL_MURATA_BNX02 [mm] "Block Type EMIFIL LC Combined Type, BNX02* Series"
  rect 3.8x2.5 smd: 1(-6.85,2.1) 2(6.85,2.1) 3(-6.85,-2.2) 4(6.85,-2.2)
  rect 7.9x2.3 smd: 4(1,-5.1)
  rect 3.4x2.3 smd: 4(3.25,5.1)
  silkscreen extent -5.95,-4.45 7.77,5.05, body extent -6.05,-4.55 6.05,4.55, height 3.1
IND_MURATA-PS_8400 [mm] "Miniature Surface Mount Power Inductors, 4.5mm L X 3.3mm W X 2.9mm H, MURATA 8400 Series"
  rect 2x3.5 smd: 1(-1.6,0) 2(1.6,0)
  silkscreen extent -0.3,-1.8 0.3,1.8, body extent -2.4,-1.8 2.4,1.8, height 2.9
IND_TDK_SPM6530 [mm] "SMD Inductor, 7.1mm L X 6.5mm W X 3mm H, TDK SPM6530 Series"
  rect 1.85x3.4 smd: 1(-2.775,0) 2(2.775,0)
  silkscreen extent -3.5,-3.2 3.5,3.2, body extent -3.6,-3.2 3.6,3.2, height 3.1
Keystone_7687 [mm] "Polyphenylene Sulfide PPS Shoulder Washer"
  silkscreen extent -0.8,-5.6 0.8,5.6